# Altium PCB PCB2.PcbDoc (part 13 of 16)
Units mil, origin at the board's own origin, x right, y up, seen from the top; angles counter-clockwise.
Board outline 9200.79 x 4350.6 mil, 4 copper layers (Top Layer, Layer 1, Layer 2, Bottom Layer), stack 23.756 mil thick; 1249 components, 1355 nets, 4549 pads, 1316 vias.
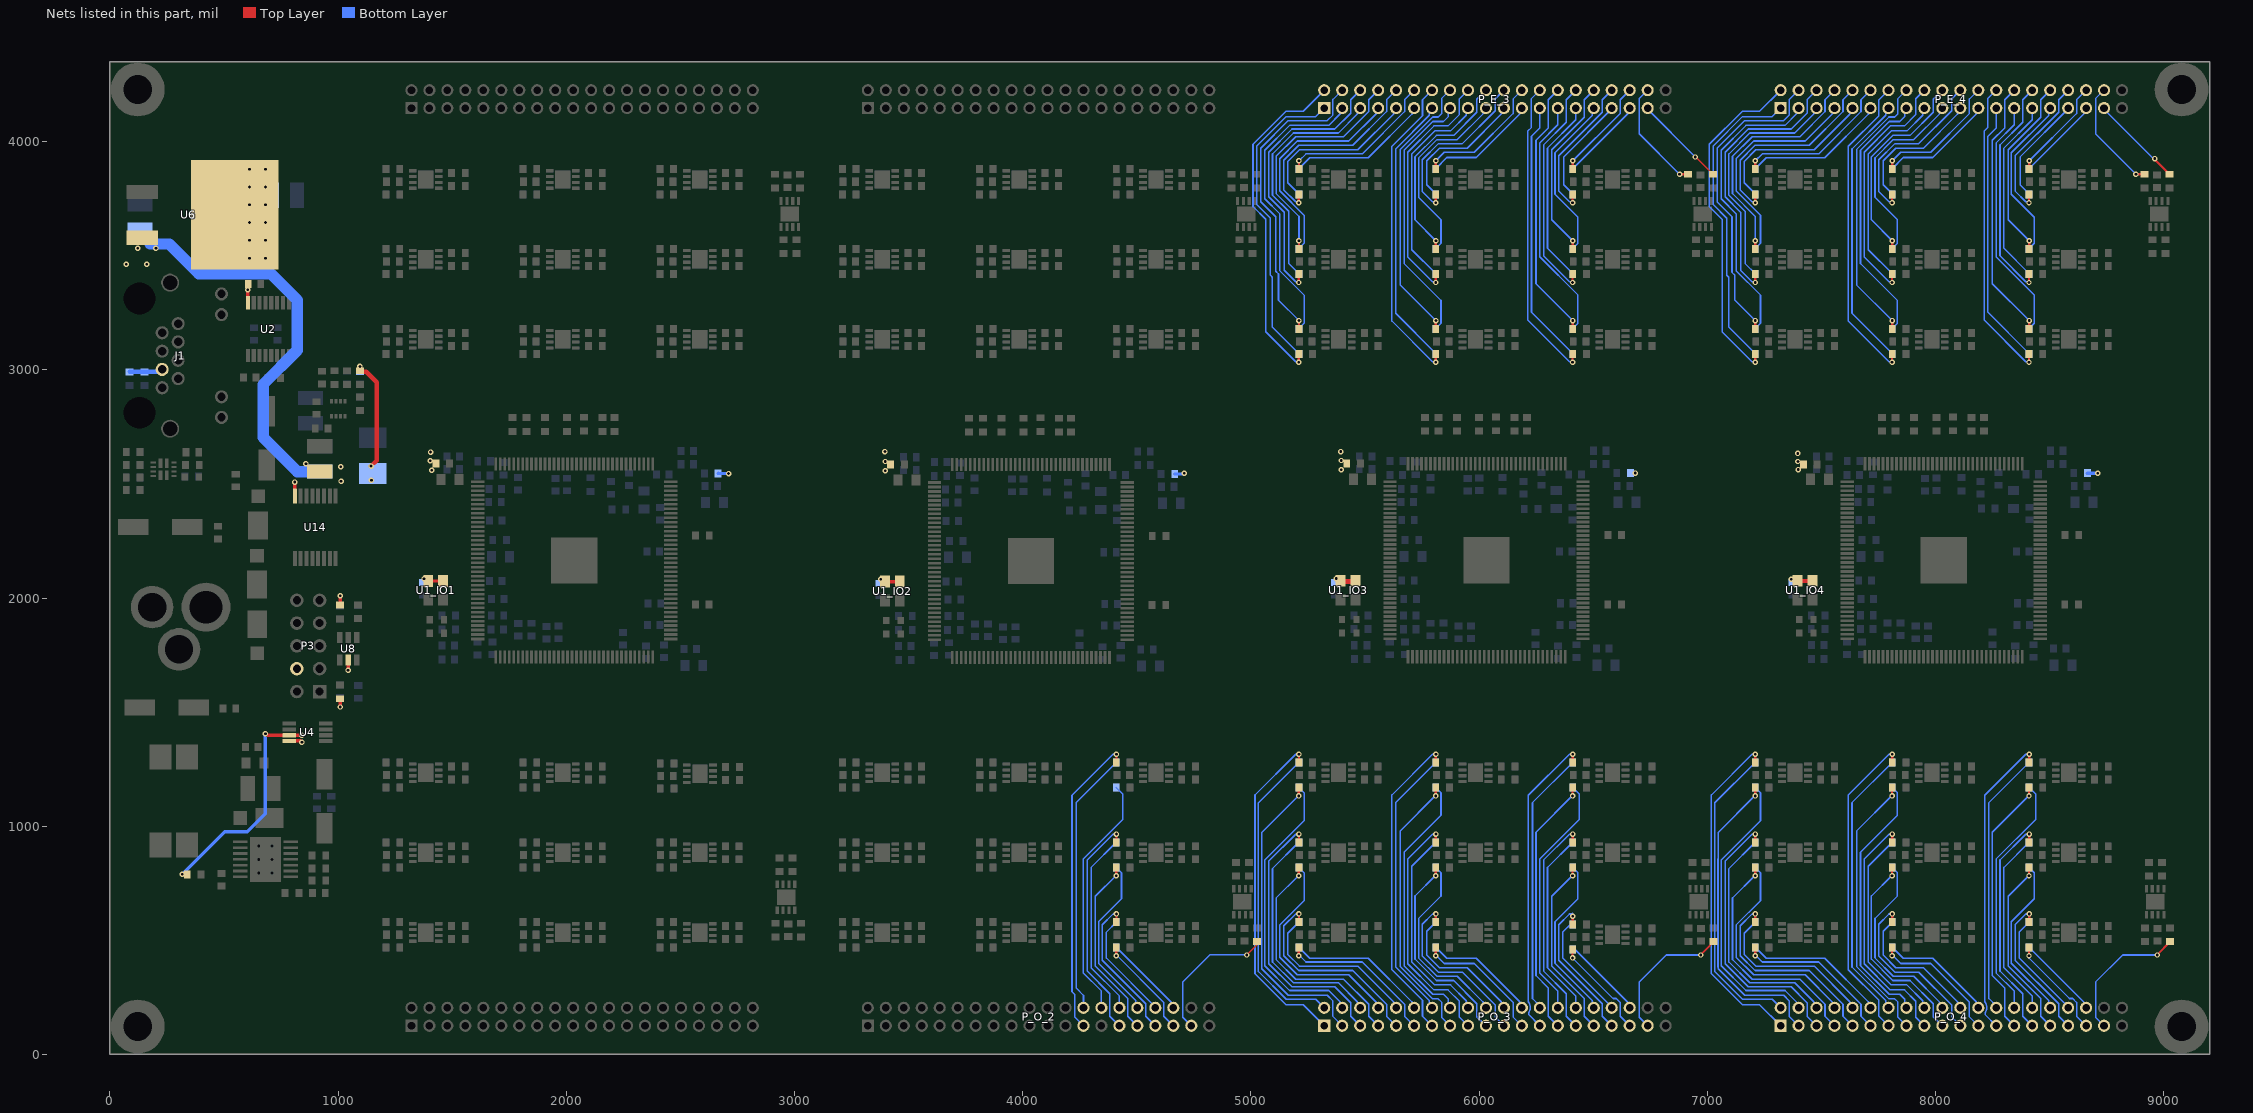
[diagram p15: the nets of this part, all layers, seen from the top]

## Via types
v1: diameter 24, hole 12, Top Layer to Bottom Layer, 1316 vias

## Nets (pads, with @x,y where several pads share a name; then routed paths per layer and width w, separated by ;. In a path a pad name is that pad's centre, name@x,y a point inside that pad or via, vN(x,y) a via of type N, cw(c..) or ccw(c..) an arc to the next point about the centre after c; other vN are vias at no path point) (continued)
V_OUT139: P_O_2.25 R29_U_VoltageAmplifier322.2 | length 1336.9
  Top Layer w10: R29_U_VoltageAmplifier322.2@4410.09,1279.18 4410.55,1279.64 v1(4410.55,1315.72)
  Bottom Layer w7: P_O_2.25@4266.14,125.59 4227.17,164.57 4227.17,263.5 4215.79,274.88 4215.79,1135.06 4396.03,1315.29 4406.38,1315.29 v1@4409.63,1318.54
V_OUT140: P_O_2.26 R27_U_VoltageAmplifier332.2 | length 1161.3
  Bottom Layer w7: P_O_2.26@4266.14,204.33 4266.14,258.56 4234.12,290.58 4234.12,1103.54 R27_U_VoltageAmplifier332.2@4410.09,1279.5
V_OUT141: P_O_2.28 R29_U_VoltageAmplifier332.2 | length 1081.7
  Bottom Layer w7: P_O_2.28@4344.88,204.33 4344.88,277.7 4265.48,357.1 4265.48,856.21 4438.69,1029.42 4438.69,1140.9 R29_U_VoltageAmplifier332.2@4410.09,1169.5
V_OUT142: P_O_2.31 R27_U_VoltageAmplifier342.2 | length 811
  Top Layer w10: v1(4409.63,782.64) 4409.63,818.72 R27_U_VoltageAmplifier342.2@4410.09,819.18
  Bottom Layer w7: v1@4410.55,785.46 4318.31,693.22 4318.31,387.39 4460.7,245 4460.7,167.26 P_O_2.31@4502.36,125.59
V_OUT143: P_O_2.29 R29_U_VoltageAmplifier342.2 | length 996.8
  Top Layer w10: R29_U_VoltageAmplifier342.2@4410.09,929.18 4410.55,929.64 v1(4410.55,965.72)
  Bottom Layer w7: v1@4409.63,968.54 4406.38,965.29 4396.03,965.29 4282.57,851.84 4282.57,365.64 4381.96,266.26 4381.96,167.26 P_O_2.29@4423.62,125.59
V_OUT144: P_O_2.30 R27_U_VoltageAmplifier352.2 | length 824.8
  Bottom Layer w7: R27_U_VoltageAmplifier352.2@4410.09,932 4410.09,929.5 4299.66,819.08 4299.66,379.62 4423.62,255.66 P_O_2.30@4423.62,204.33
V_OUT145: P_O_2.32 R29_U_VoltageAmplifier352.2 | length 739.3
  Bottom Layer w7: R29_U_VoltageAmplifier352.2@4410.09,822 4410.09,819.5 4433.05,796.54 4433.05,682.36 4332.31,581.62 4332.31,399.81 4495.86,236.26 4495.86,210.84 P_O_2.32@4502.36,204.33
V_OUT146: P_O_2.35 R27_U_VoltageAmplifier362.2 | length 449.9
  Top Layer w10: v1(4409.63,432.64) 4409.63,468.72 R27_U_VoltageAmplifier362.2@4410.09,469.18
  Bottom Layer w7: v1@4410.55,435.46 4618.18,227.83 4618.18,167.26 P_O_2.35@4659.84,125.59
V_OUT147: P_O_2.33 R29_U_VoltageAmplifier362.2 | length 657.3
  Top Layer w10: R29_U_VoltageAmplifier362.2@4410.09,579.18 4410.55,579.64 v1(4410.55,615.72)
  Bottom Layer w7: v1@4409.63,618.54 4406.38,615.29 4396.03,615.29 4348.6,567.87 4348.6,413.03 4539.44,222.19 4539.44,167.26 P_O_2.33@4581.1,125.59
V_OUT148: P_O_2.34 R27_U_VoltageAmplifier372.2 | length 482
  Bottom Layer w7: R27_U_VoltageAmplifier372.2@4410.09,579.5 4366.68,536.09 4366.68,422.15 4581.1,207.72 P_O_2.34@4581.1,204.33
V_OUT149: P_O_2.36 R29_U_VoltageAmplifier372.2 | length 357.4
  Bottom Layer w7: R29_U_VoltageAmplifier372.2@4410.09,472 4410.09,469.5 4651.01,228.57 4651.01,225.65 4656.92,219.74 P_O_2.36@4659.84,219.74
V_OUT150: P_O_2.37 R27_U_VoltageAmplifier382.2 | length 618.8
  Top Layer w7: v1(4981.26,435.59) R27_U_VoltageAmplifier382.2@5039.63,493.96
  Bottom Layer w7: P_O_2.37@4738.58,125.59 4701.51,162.67 4701.51,317.16 4820.6,436.25 4980.6,436.25 v1(4981.26,435.59)
V_OUT151: P_E_3.2 R27_U_VoltageAmplifier13.2 | length 1492.2
  Top Layer w10: v1(5209.63,3032.64) 5209.63,3068.72 R27_U_VoltageAmplifier13.2@5210.09,3069.18
  Bottom Layer w7: v1(5209.63,3032.64) 5206.38,3035.89 5196.03,3035.89 5064.82,3167.1 5064.82,3659.77 5009,3715.59 5009,3988.52 5153.96,4133.48 5229.15,4133.48 P_E_3.2@5321.26,4225.59
V_OUT152: P_E_3.4 R29_U_VoltageAmplifier13.2 | length 1364.1
  Top Layer w10: R29_U_VoltageAmplifier13.2@5210.09,3179.18 5210.55,3179.64 v1(5210.55,3215.72)
  Bottom Layer w7: v1(5210.55,3215.72) 5120.97,3305.3 5120.97,3419.68 5108.37,3432.27 5108.37,3671.1 5042.78,3736.69 5042.78,3971.19 5163.71,4092.12 5334.53,4092.12 5359.19,4116.78 5359.19,4184.78 P_E_3.4@5400,4225.59
V_OUT153: P_E_3.3 R27_U_VoltageAmplifier23.2 | length 1289.1
  Bottom Layer w7: R27_U_VoltageAmplifier23.2@5210.09,3179.18 5210.09,3181.68 5233.05,3204.64 5233.05,3327.4 5127.13,3433.32 5127.13,3683.2 5060.97,3749.35 5060.97,3962.66 5169.36,4071.05 5340.45,4071.05 5391.17,4121.76 5391.17,4138.02 P_E_3.3@5400,4146.85
V_OUT154: P_E_3.1 R29_U_VoltageAmplifier23.2 | length 1352.6
  Bottom Layer w7: R29_U_VoltageAmplifier23.2@5210.09,3069.18 5210.09,3071.68 5093.72,3188.05 5093.72,3405.59 5085.39,3413.92 5085.39,3664.44 5025.46,3724.37 5025.46,3980.72 5154.34,4109.61 5284.01,4109.61 P_E_3.1@5321.26,4146.85
V_OUT155: P_E_3.6 R27_U_VoltageAmplifier33.2 | length 1216.1
  Top Layer w10: v1(5209.63,3382.64) 5209.63,3418.72 R27_U_VoltageAmplifier33.2@5210.09,3419.18
  Bottom Layer w7: v1(5209.63,3382.64) 5206.38,3385.89 5196.03,3385.89 5145.88,3436.04 5145.88,3690.45 5078.3,3758.03 5078.3,3953.87 5179.54,4055.11 5367.52,4055.11 5437.07,4124.67 5437.07,4183.93 P_E_3.6@5478.74,4225.59
V_OUT156: P_E_3.8 R29_U_VoltageAmplifier33.2 | length 1046.1
  Top Layer w10: R29_U_VoltageAmplifier33.2@5210.09,3529.18 5210.55,3529.64 v1(5210.55,3565.72)
  Bottom Layer w7: v1(5210.55,3565.72) 5210.55,3671.96 5110.35,3772.15 5110.35,3935.68 5196.37,4021.69 5406.01,4021.69 5515.81,4131.49 5515.81,4183.93 P_E_3.8@5557.48,4225.59
V_OUT157: P_E_3.7 R27_U_VoltageAmplifier43.2 | length 982.6
  Bottom Layer w7: R27_U_VoltageAmplifier43.2@5210.09,3529.18 5210.09,3531.68 5233.05,3554.64 5233.05,3677.4 5125.95,3784.5 5125.95,3925.28 5203.33,4002.66 5429.28,4002.66 5548.65,4122.04 5548.65,4138.02 P_E_3.7@5557.48,4146.85
V_OUT158: P_E_3.5 R29_U_VoltageAmplifier43.2 | length 1049.9
  Bottom Layer w7: R29_U_VoltageAmplifier43.2@5210.09,3419.18 5210.09,3421.68 5165.42,3466.35 5165.42,3694.51 5094.76,3765.17 5094.76,3946.07 5186.32,4037.63 5383.33,4037.63 5466.43,4120.73 5466.43,4122.05 5478.74,4134.36 P_E_3.5@5478.74,4146.85
V_OUT159: P_E_3.10 R27_U_VoltageAmplifier53.2 | length 905.7
  Top Layer w10: v1(5209.63,3732.64) 5209.63,3768.72 R27_U_VoltageAmplifier53.2@5210.09,3769.18
  Bottom Layer w7: v1(5209.63,3732.64) 5206.38,3735.89 5196.03,3735.89 5144.14,3787.78 5144.14,3918.35 5209.43,3983.64 5446.7,3983.64 5594.56,4131.49 5594.56,4183.93 P_E_3.10@5636.22,4225.59
V_OUT160: P_E_3.12 R29_U_VoltageAmplifier53.2 | length 700.2
  Top Layer w10: R29_U_VoltageAmplifier53.2@5210.09,3879.18 5210.55,3879.64 v1(5210.55,3915.72)
  Bottom Layer w7: v1(5210.55,3915.72) 5240.93,3946.11 5487.91,3946.11 5673.3,4131.49 5673.3,4183.93 P_E_3.12@5714.96,4225.59
V_OUT161: P_E_3.11 R27_U_VoltageAmplifier63.2 | length 627.1
  Bottom Layer w7: R27_U_VoltageAmplifier63.2@5210.09,3879.18 5210.09,3881.68 5257.9,3929.5 5514.49,3929.5 5706.13,4121.14 5706.13,4138.02 P_E_3.11@5714.96,4146.85
V_OUT162: P_E_3.9 R29_U_VoltageAmplifier63.2 | length 744.5
  Bottom Layer w7: R29_U_VoltageAmplifier63.2@5210.09,3769.18 5210.09,3771.68 5161.46,3820.3 5161.46,3913.15 5212.42,3964.11 5468.64,3964.11 5624.59,4120.05 5624.59,4122.73 5636.22,4134.36 P_E_3.9@5636.22,4146.85
V_OUT163: P_E_3.14 R27_U_VoltageAmplifier73.2 | length 1387.9
  Top Layer w10: v1(5809.63,3032.64) 5809.63,3068.72 R27_U_VoltageAmplifier73.2@5810.09,3069.18
  Bottom Layer w7: P_E_3.14@5793.7,4225.59 5752.04,4183.93 5752.04,4113.87 5617.95,3979.78 5617.95,3213.97 5796.03,3035.89 5806.38,3035.89 v1(5809.63,3032.64)
V_OUT164: P_E_3.16 R29_U_VoltageAmplifier73.2 | length 1216.5
  Top Layer w10: R29_U_VoltageAmplifier73.2@5810.09,3179.18 5810.55,3179.64 v1(5810.55,3215.72)
  Bottom Layer w7: v1(5810.55,3215.72) 5654.17,3372.1 5654.17,3965.78 5796.31,4107.93 5821.41,4107.93 5835.37,4121.88 5835.37,4188.52 P_E_3.16@5872.44,4225.59
V_OUT165: P_E_3.15 R27_U_VoltageAmplifier83.2 | length 1145
  Bottom Layer w7: R27_U_VoltageAmplifier83.2@5810.09,3179.18 5810.09,3181.68 5833.05,3204.64 5833.05,3303.7 5671.17,3465.57 5671.17,3962.17 5797.02,4088.02 5843.69,4088.02 5865.44,4109.78 P_E_3.15@5865.44,4139.85
V_OUT166: P_E_3.13 R29_U_VoltageAmplifier83.2 | length 1216.6
  Bottom Layer w7: P_E_3.13@5793.7,4146.85 5793.7,4134.36 5781.41,4122.07 5781.41,4115.19 5634.21,3967.99 5634.21,3247.56 5810.09,3071.68 R29_U_VoltageAmplifier83.2@5810.09,3069.18
V_OUT167: P_E_3.18 R27_U_VoltageAmplifier93.2 | length 1081.8
  Top Layer w10: v1(5809.63,3382.64) 5809.63,3418.72 R27_U_VoltageAmplifier93.2@5810.09,3419.18
  Bottom Layer w7: v1(5809.63,3382.64) 5806.38,3385.89 5796.03,3385.89 5687.43,3494.49 5687.43,3953.97 5802.17,4068.71 5864.03,4068.71 5913.78,4118.46 5913.78,4188.19 P_E_3.18@5951.18,4225.59
V_OUT168: P_E_3.20 R29_U_VoltageAmplifier93.2 | length 907.5
  Top Layer w10: R29_U_VoltageAmplifier93.2@5810.09,3529.18 5810.55,3529.64 v1(5810.55,3565.72)
  Bottom Layer w7: v1(5810.55,3565.72) 5719.17,3657.1 5719.17,3933.55 5812.88,4027.26 5888.55,4027.26 5990.07,4128.79 5990.07,4185.74 P_E_3.20@6029.92,4225.59
V_OUT169: P_E_3.19 R27_U_VoltageAmplifier103.2 | length 842.6
  Bottom Layer w7: R27_U_VoltageAmplifier103.2@5810.09,3529.18 5810.09,3531.68 5833.05,3554.64 5833.05,3657.37 5734.74,3755.68 5734.74,3928.51 5815.05,4008.82 5904.49,4008.82 6017,4121.34 6017,4121.45 6029.92,4134.36 P_E_3.19@6029.92,4146.85
V_OUT170: P_E_3.17 R29_U_VoltageAmplifier103.2 | length 913.3
  Bottom Layer w7: R29_U_VoltageAmplifier103.2@5810.09,3419.18 5810.09,3421.68 5705.17,3526.6 5705.17,3945.95 5806.03,4046.81 5874.79,4046.81 5943.79,4115.81 5943.79,4139.46 P_E_3.17@5951.18,4146.85
V_OUT171: P_E_3.22 R27_U_VoltageAmplifier113.2 | length 769.6
  Top Layer w10: v1(5809.63,3732.64) 5809.63,3768.72 R27_U_VoltageAmplifier113.2@5810.09,3769.18
  Bottom Layer w7: v1(5809.63,3732.64) 5806.38,3735.89 5796.03,3735.89 5751,3780.92 5751,3920.31 5822.13,3991.43 5926.94,3991.43 6070.58,4135.08 6070.58,4187.51 P_E_3.22@6108.66,4225.59
V_OUT172: P_E_3.24 R29_U_VoltageAmplifier113.2 | length 579.5
  Top Layer w10: R29_U_VoltageAmplifier113.2@5810.09,3879.18 5810.55,3879.64 v1(5810.55,3915.72)
  Bottom Layer w7: v1(5810.55,3915.72) 5847.62,3952.8 5978.69,3952.8 6148.68,4122.79 6148.68,4186.87 P_E_3.24@6187.4,4225.59
V_OUT173: P_E_3.23 R27_U_VoltageAmplifier123.2 | length 499.7
  Bottom Layer w7: R27_U_VoltageAmplifier123.2@5810.09,3879.18 5810.09,3881.68 5858.67,3930.26 5988,3930.26 6178.57,4120.83 6178.57,4138.02 P_E_3.23@6187.4,4146.85
V_OUT174: P_E_3.21 R29_U_VoltageAmplifier123.2 | length 605.2
  Bottom Layer w7: R29_U_VoltageAmplifier123.2@5810.09,3769.18 5810.09,3771.68 5770.59,3811.18 5770.59,3916.07 5825.99,3971.47 5947.5,3971.47 6096.56,4120.52 6096.56,4122.26 6108.66,4134.36 P_E_3.21@6108.66,4146.85
V_OUT175: P_E_3.26 R27_U_VoltageAmplifier133.2 | length 1339
  Top Layer w10: v1(6409.63,3032.64) 6409.63,3068.72 R27_U_VoltageAmplifier133.2@6410.09,3069.18
  Bottom Layer w7: P_E_3.26@6266.14,4225.59 6229.07,4188.52 6229.07,4061.79 6213.43,4046.15 6213.43,3871.66 6213.59,3871.5 6213.59,3445.86 6213.43,3445.71 6213.43,3218.49 6396.03,3035.89 6406.38,3035.89 v1(6409.63,3032.64)
V_OUT176: P_E_3.28 R29_U_VoltageAmplifier133.2 | length 1153.1
  Top Layer w10: R29_U_VoltageAmplifier133.2@6410.09,3179.18 6410.55,3179.64 v1(6410.55,3215.72)
  Bottom Layer w7: P_E_3.28@6344.88,4225.59 6303.22,4183.93 6303.22,4059.79 6249.17,4005.74 6249.17,3377.1 v1(6410.55,3215.72)
V_OUT177: P_E_3.27 R27_U_VoltageAmplifier143.2 | length 1079.5
  Bottom Layer w7: P_E_3.27@6344.88,4146.85 6344.88,4073.49 6265.48,3994.09 6265.48,3494.97 6433.05,3327.4 6433.05,3204.64 6410.09,3181.68 R27_U_VoltageAmplifier143.2@6410.09,3179.18
V_OUT178: P_E_3.25 R29_U_VoltageAmplifier143.2 | length 1167.4
  Bottom Layer w7: P_E_3.25@6266.14,4146.85 6266.14,4059.71 6229.74,4023.31 6229.74,3252.02 6410.09,3071.68 R29_U_VoltageAmplifier143.2@6410.09,3069.18
V_OUT179: P_E_3.30 R27_U_VoltageAmplifier153.2 | length 996.8
  Top Layer w10: v1(6409.63,3382.64) 6409.63,3418.72 R27_U_VoltageAmplifier153.2@6410.09,3419.18
  Bottom Layer w7: v1(6409.63,3382.64) 6406.38,3385.89 6396.03,3385.89 6282.57,3499.35 6282.57,3985.54 6381.96,4084.93 6381.96,4183.93 P_E_3.30@6423.62,4225.59
V_OUT180: P_E_3.32 R29_U_VoltageAmplifier153.2 | length 811
  Top Layer w10: R29_U_VoltageAmplifier153.2@6410.09,3529.18 6410.55,3529.64 v1(6410.55,3565.72)
  Bottom Layer w7: v1(6410.55,3565.72) 6318.31,3657.96 6318.31,3963.79 6460.7,4106.18 6460.7,4183.93 P_E_3.32@6502.36,4225.59
V_OUT181: P_E_3.31 R27_U_VoltageAmplifier163.2 | length 739.3
  Bottom Layer w7: R27_U_VoltageAmplifier163.2@6410.09,3529.18 6410.09,3531.68 6433.05,3554.64 6433.05,3668.82 6332.31,3769.56 6332.31,3951.38 6495.86,4114.93 6495.86,4140.34 P_E_3.31@6502.36,4146.85
V_OUT182: P_E_3.29 R29_U_VoltageAmplifier163.2 | length 824.8
  Bottom Layer w7: R29_U_VoltageAmplifier163.2@6410.09,3419.18 6410.09,3421.68 6299.66,3532.1 6299.66,3971.56 6423.62,4095.52 P_E_3.29@6423.62,4146.85
V_OUT183: P_E_3.34 R27_U_VoltageAmplifier173.2 | length 657.3
  Top Layer w10: v1(6409.63,3732.64) 6409.63,3768.72 R27_U_VoltageAmplifier173.2@6410.09,3769.18
  Bottom Layer w7: v1(6409.63,3732.64) 6406.38,3735.89 6396.03,3735.89 6348.6,3783.31 6348.6,3938.15 6539.44,4128.99 6539.44,4183.93 P_E_3.34@6581.1,4225.59
V_OUT184: P_E_3.36 R29_U_VoltageAmplifier173.2 | length 449.9
  Top Layer w10: R29_U_VoltageAmplifier173.2@6410.09,3879.18 6410.55,3879.64 v1(6410.55,3915.72)
  Bottom Layer w7: v1(6410.55,3915.72) 6618.18,4123.35 6618.18,4183.93 P_E_3.36@6659.84,4225.59
V_OUT185: P_E_3.35 R27_U_VoltageAmplifier183.2 | length 357.4
  Bottom Layer w7: R27_U_VoltageAmplifier183.2@6410.09,3879.18 6410.09,3881.68 6651.01,4122.61 6651.01,4125.53 6656.92,4131.44 P_E_3.35@6659.84,4131.44
V_OUT186: P_E_3.33 R29_U_VoltageAmplifier183.2 | length 481.2
  Bottom Layer w7: R29_U_VoltageAmplifier183.2@6410.09,3769.18 6410.09,3771.68 6370.59,3811.18 6370.59,3932.95 6581.1,4143.46 P_E_3.33@6581.1,4146.85
V_OUT187: P_E_3.38 R27_U_VoltageAmplifier193.2 | length 493.7
  Top Layer w10: v1(6878.31,3857.22) 6914.39,3857.22 R27_U_VoltageAmplifier193.2@6914.85,3856.76
  Bottom Layer w7: P_E_3.38@6738.58,4225.59 6701.51,4188.52 6701.51,4034.02 v1(6878.31,3857.22)
V_OUT188: P_E_3.37 R29_U_VoltageAmplifier193.2 | length 414.2
  Top Layer w7: v1(6947.36,3932.58) 6949.03,3932.58 R29_U_VoltageAmplifier193.2@7024.85,3856.76
  Bottom Layer w7: P_E_3.37@6738.58,4146.85 6738.58,4141.36 v1(6947.36,3932.58) v1@6950.58,3929.36
V_OUT189: P_O_3.3 R27_U_VoltageAmplifier203.2 | length 1360.6
  Top Layer w10: v1(5209.63,1132.64) 5209.63,1168.72 R27_U_VoltageAmplifier203.2@5210.09,1169.18
  Bottom Layer w7: v1@5210.55,1135.46 5047.82,972.73 5047.82,858.35 5046.97,857.51 5046.97,382.73 5047.82,381.88 5047.82,374.95 5163.71,259.06 5334.53,259.06 5359.19,234.4 5359.19,166.4 P_O_3.3@5400,125.59
V_OUT190: P_O_3.1 R29_U_VoltageAmplifier203.2 | length 1484.8
  Top Layer w10: R29_U_VoltageAmplifier203.2@5210.09,1279.18 5210.55,1279.64 v1(5210.55,1315.72)
  Bottom Layer w7: v1@5209.63,1318.54 5206.38,1315.29 5196.03,1315.29 5017.93,1137.2 5017.93,353.72 5153.96,217.7 5229.15,217.7 P_O_3.1@5321.26,125.59
V_OUT191: P_O_3.2 R27_U_VoltageAmplifier213.2 | length 1344
  Bottom Layer w7: R27_U_VoltageAmplifier213.2@5210.09,1279.5 5032.88,1102.29 5032.88,363.04 5154.34,241.58 5284.01,241.58 P_O_3.2@5321.26,204.33
V_OUT192: P_O_3.4 R29_U_VoltageAmplifier213.2 | length 1289.1
  Bottom Layer w7: R29_U_VoltageAmplifier213.2@5210.09,1172 5210.09,1169.5 5233.05,1146.54 5233.05,1023.78 5060.97,851.71 5060.97,388.53 5169.36,280.14 5340.45,280.14 5391.17,229.42 5391.17,213.16 P_O_3.4@5400,204.33
V_OUT193: P_O_3.7 R27_U_VoltageAmplifier223.2 | length 1046.1
  Top Layer w10: v1(5209.63,782.64) 5209.63,818.72 R27_U_VoltageAmplifier223.2@5210.09,819.18
  Bottom Layer w7: v1@5210.55,785.46 5110.35,685.27 5110.35,415.51 5196.37,329.49 5406.01,329.49 5515.81,219.69 5515.81,167.26 P_O_3.7@5557.48,125.59
V_OUT194: P_O_3.5 R29_U_VoltageAmplifier223.2 | length 1216.1
  Top Layer w10: R29_U_VoltageAmplifier223.2@5210.09,929.18 5210.55,929.64 v1(5210.55,965.72)
  Bottom Layer w7: v1@5209.63,968.54 5206.38,965.29 5196.03,965.29 5078.3,847.56 5078.3,397.31 5179.54,296.07 5367.52,296.07 5437.07,226.51 5437.07,167.26 P_O_3.5@5478.74,125.59
V_OUT195: P_O_3.6 R27_U_VoltageAmplifier233.2 | length 1049.9
  Bottom Layer w7: R27_U_VoltageAmplifier233.2@5210.09,932 5210.09,929.5 5094.76,814.17 5094.76,405.11 5186.32,313.56 5383.33,313.56 5466.43,230.45 5466.43,229.13 5478.74,216.82 P_O_3.6@5478.74,204.33
V_OUT196: P_O_3.8 R29_U_VoltageAmplifier233.2 | length 982.6
  Bottom Layer w7: R29_U_VoltageAmplifier233.2@5210.09,822 5210.09,819.5 5233.05,796.54 5233.05,673.78 5125.95,566.68 5125.95,425.9 5203.33,348.52 5429.28,348.52 5548.65,229.14 5548.65,213.16 P_O_3.8@5557.48,204.33
V_OUT197: P_O_3.11 R27_U_VoltageAmplifier243.2 | length 700.2
  Top Layer w10: v1(5209.63,432.64) 5209.63,468.72 R27_U_VoltageAmplifier243.2@5210.09,469.18
  Bottom Layer w7: v1@5210.55,435.46 5240.93,405.07 5487.91,405.07 5673.3,219.69 5673.3,167.26 P_O_3.11@5714.96,125.59
V_OUT198: P_O_3.9 R29_U_VoltageAmplifier243.2 | length 905.7
  Top Layer w10: R29_U_VoltageAmplifier243.2@5210.09,579.18 5210.55,579.64 v1(5210.55,615.72)
  Bottom Layer w7: v1@5209.63,618.54 5206.38,615.29 5196.03,615.29 5144.14,563.4 5144.14,432.83 5209.43,367.54 5446.7,367.54 5594.56,219.69 5594.56,167.26 P_O_3.9@5636.22,125.59
V_OUT199: P_O_3.10 R27_U_VoltageAmplifier253.2 | length 744.5
  Bottom Layer w7: R27_U_VoltageAmplifier253.2@5210.09,582 5210.09,579.5 5161.46,530.88 5161.46,438.03 5212.42,387.08 5468.64,387.08 5624.59,231.13 5624.59,228.45 5636.22,216.82 P_O_3.10@5636.22,204.33
V_OUT200: P_O_3.12 R29_U_VoltageAmplifier253.2 | length 627.1
  Bottom Layer w7: R29_U_VoltageAmplifier253.2@5210.09,472 5210.09,469.5 5257.9,421.69 5514.49,421.69 5706.13,230.04 5706.13,213.16 P_O_3.12@5714.96,204.33
V_OUT201: P_O_3.15 R27_U_VoltageAmplifier263.2 | length 1216.5
  Top Layer w10: v1(5809.63,1132.64) 5809.63,1168.72 R27_U_VoltageAmplifier263.2@5810.09,1169.18
  Bottom Layer w7: v1@5810.55,1135.46 5654.17,979.08 5654.17,385.4 5796.31,243.25 5821.41,243.25 5835.37,229.3 5835.37,162.67 P_O_3.15@5872.44,125.59
V_OUT202: P_O_3.13 R29_U_VoltageAmplifier263.2 | length 1387.9
  Top Layer w10: R29_U_VoltageAmplifier263.2@5810.09,1279.18 5810.55,1279.64 v1(5810.55,1315.72)
  Bottom Layer w7: P_O_3.13@5793.7,125.59 5752.04,167.26 5752.04,237.31 5617.95,371.4 5617.95,1137.21 5796.03,1315.29 5806.38,1315.29 v1@5809.63,1318.54
V_OUT203: P_O_3.14 R27_U_VoltageAmplifier273.2 | length 1216.6
  Bottom Layer w7: P_O_3.14@5793.7,204.33 5793.7,216.82 5781.41,229.11 5781.41,235.99 5634.21,383.19 5634.21,1103.62 5810.09,1279.5 R27_U_VoltageAmplifier273.2@5810.09,1282
V_OUT204: P_O_3.16 R29_U_VoltageAmplifier273.2 | length 1145
  Bottom Layer w7: R29_U_VoltageAmplifier273.2@5810.09,1172 5810.09,1169.5 5833.05,1146.54 5833.05,1047.49 5671.17,885.61 5671.17,389.01 5797.02,263.16 5843.69,263.16 5865.44,241.41 P_O_3.16@5865.44,211.33
V_OUT205: P_O_3.19 R27_U_VoltageAmplifier283.2 | length 907.5
  Top Layer w10: v1(5809.63,782.64) 5809.63,818.72 R27_U_VoltageAmplifier283.2@5810.09,819.18
  Bottom Layer w7: v1@5810.55,785.46 5719.17,694.08 5719.17,417.63 5812.88,323.92 5888.55,323.92 5990.07,222.39 5990.07,165.44 P_O_3.19@6029.92,125.59
V_OUT206: P_O_3.17 R29_U_VoltageAmplifier283.2 | length 1081.8
  Top Layer w10: R29_U_VoltageAmplifier283.2@5810.09,929.18 5810.55,929.64 v1(5810.55,965.72)
  Bottom Layer w7: v1@5809.63,968.54 5806.38,965.29 5796.03,965.29 5687.43,856.69 5687.43,397.21 5802.17,282.48 5864.03,282.48 5913.78,232.72 5913.78,163 P_O_3.17@5951.18,125.59
V_OUT207: P_O_3.18 R27_U_VoltageAmplifier293.2 | length 913.3
  Bottom Layer w7: R27_U_VoltageAmplifier293.2@5810.09,932 5810.09,929.5 5705.17,824.58 5705.17,405.23 5806.03,304.37 5874.79,304.37 5943.79,235.37 5943.79,211.72 P_O_3.18@5951.18,204.33
V_OUT208: P_O_3.20 R29_U_VoltageAmplifier293.2 | length 842.6
  Bottom Layer w7: R29_U_VoltageAmplifier293.2@5810.09,822 5810.09,819.5 5833.05,796.54 5833.05,693.81 5734.74,595.51 5734.74,422.67 5815.05,342.36 5904.49,342.36 6017,229.85 6017,229.74 6029.92,216.82 P_O_3.20@6029.92,204.33
V_OUT209: P_O_3.23 R27_U_VoltageAmplifier303.2 | length 579.5
  Top Layer w10: v1(5809.63,432.64) 5809.63,468.72 R27_U_VoltageAmplifier303.2@5810.09,469.18
  Bottom Layer w7: v1@5810.55,435.46 5847.62,398.38 5978.69,398.38 6148.68,228.39 6148.68,164.31 P_O_3.23@6187.4,125.59
V_OUT210: P_O_3.21 R29_U_VoltageAmplifier303.2 | length 769.6
  Top Layer w10: R29_U_VoltageAmplifier303.2@5810.09,579.18 5810.55,579.64 v1(5810.55,615.72)
  Bottom Layer w7: v1@5809.63,618.54 5806.38,615.29 5796.03,615.29 5751,570.26 5751,430.87 5822.13,359.75 5926.94,359.75 6070.58,216.1 6070.58,163.67 P_O_3.21@6108.66,125.59
V_OUT211: P_O_3.22 R27_U_VoltageAmplifier313.2 | length 605.2
  Bottom Layer w7: R27_U_VoltageAmplifier313.2@5810.09,582 5810.09,579.5 5770.59,540 5770.59,435.11 5825.99,379.71 5947.5,379.71 6096.56,230.66 6096.56,228.92 6108.66,216.82 P_O_3.22@6108.66,204.33
V_OUT212: P_O_3.24 R29_U_VoltageAmplifier313.2 | length 499.7
  Bottom Layer w7: R29_U_VoltageAmplifier313.2@5810.09,472 5810.09,469.5 5858.67,420.92 5988,420.92 6178.57,230.35 6178.57,213.16 P_O_3.24@6187.4,204.33
V_OUT213: P_O_3.27 R27_U_VoltageAmplifier323.2 | length 1153.1
  Top Layer w10: v1(6409.63,1132.64) 6409.63,1168.72 R27_U_VoltageAmplifier323.2@6410.09,1169.18
  Bottom Layer w7: P_O_3.27@6344.88,125.59 6303.22,167.26 6303.22,291.39 6249.17,345.44 6249.17,974.08 v1@6410.55,1135.46
V_OUT214: P_O_3.25 R29_U_VoltageAmplifier323.2 | length 1339.6